# Altium PCB SunS_fixture_EGSE.PcbDoc (part 1 of 2) (continued)
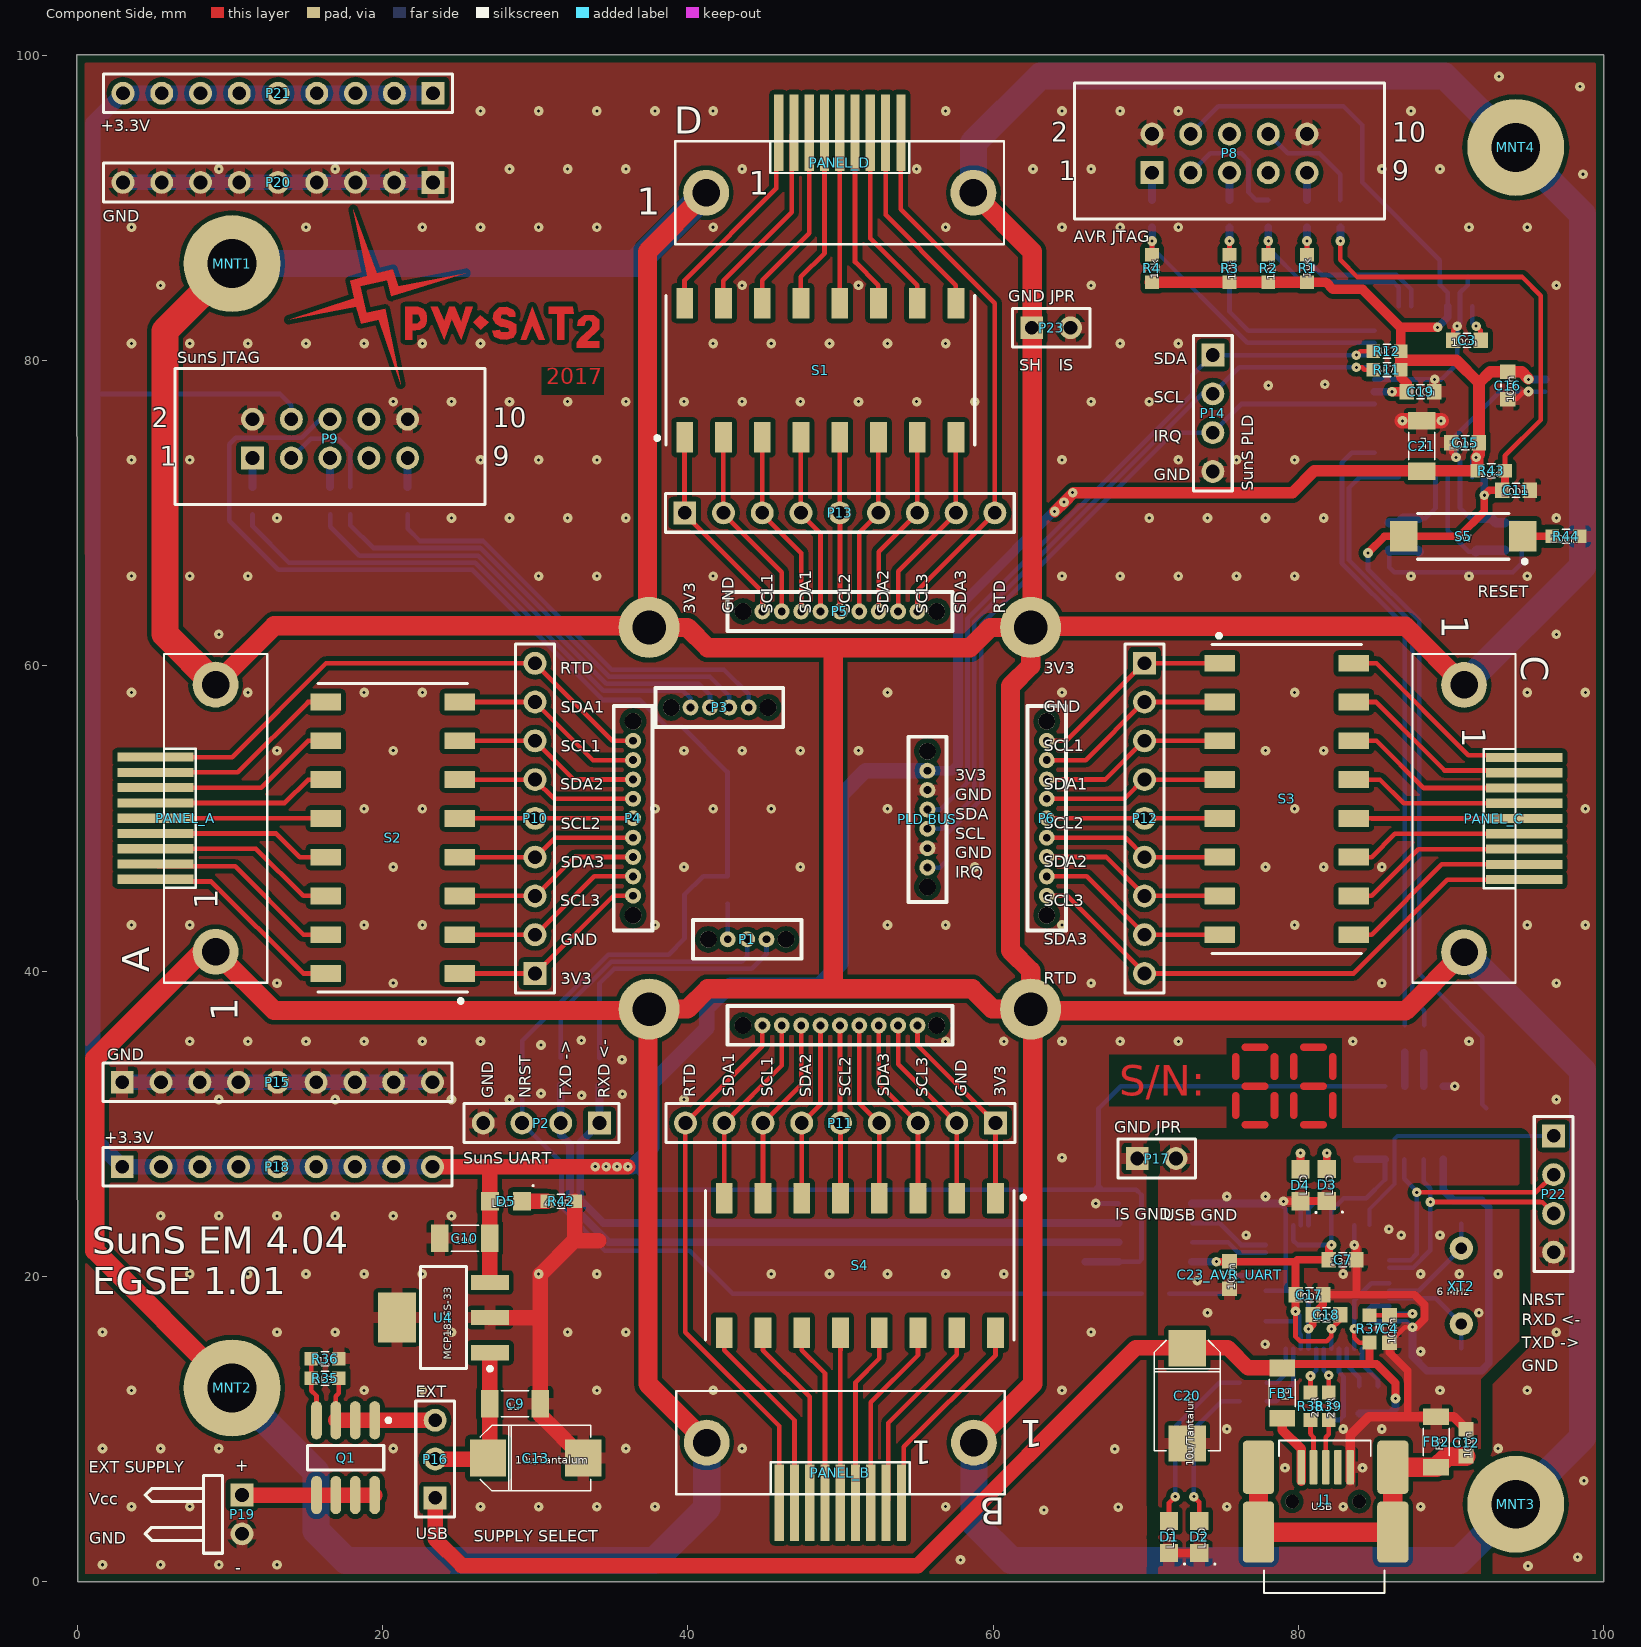
[diagram p0: Component Side view]
## Footprints (in the part's own frame and the unit in brackets; to place one, negate y for a bottom-side part, rotate by r counter-clockwise, add the part's x,y. Pads: shape width x height; smd on the part's side, far side on the other; paste and mask are expansions set on the pad) (continued)
  round 43.31 hole 43.31 unplated: 0(0,0) 0(200,0)
  round 41 hole 20: 1(50,0) 2(100,0) 3(150,0)
  silkscreen extent -40,-50 240,50, body extent -33,-44 232,43, height 248
"Mill-Max 854-22-004-10-001101" [mil] "SPRING-LOADED CONNECTORS, 854-22-004-10-001101, 1.27 mm pitch, 1x4pin, THT."
  round 43.31 hole 43.31 unplated: 0(0,0) 0(250,0)
  round 41 hole 20: 1(50,0) 2(100,0) 3(150,0) 4(200,0)
  silkscreen extent -40,-50 289,50, body extent -33,-44 282,43, height 248
"Mill-Max 854-22-006-10-001101" [mil] "SPRING-LOADED CONNECTORS, 854-22-006-10-001101, 1.27 mm pitch, 1x6pin, THT."
  round 43.31 hole 43.31 unplated: 0(0,0) 0(350,0)
  round 41 hole 20: 1(50,0) 2(100,0) 3(150,0) 4(200,0) 5(250,0) 6(300,0)
  silkscreen extent -38,-49 389,49, body extent -32,-44 383,43, height 248
"Mill-Max 854-22-009-10-001101"#1 [mil] "SPRING-LOADED CONNECTORS, 854-22-009-10-001101, 1.27 mm pitch, 1x9pin, THT."
  round 43.31 hole 43.31 unplated: 0(0,0) 0(500,0)
  round 41 hole 20: 1(50,0) 2(100,0) 3(150,0) 4(200,0) 5(250,0) 6(300,0) 7(350,0) 8(400,0) 9(450,0)
  silkscreen extent -40,-50 540,50, body extent -33,-44 532,43, height 248
"Mill-Max 854-22-009-10-001101"#2 [mil] "SPRING-LOADED CONNECTORS, 854-22-009-10-001101, 1.27 mm pitch, 1x9pin, THT."
  round 43.31 hole 43.31 unplated: 0(0,0) 0(500,0)
  round 41 hole 20: 1(450,0) 2(400,0) 3(350,0) 4(300,0) 5(250,0) 6(200,0) 7(150,0) 8(100,0) 9(50,0)
  body extent -32,-44 533,43, height 248
PC-104_PcbMntHole_M3#1 [mm] "PCB Mounting Hole for PC-104 standard. Based on Pumpkin's Kit."
  round 6.35 hole 3.2: 1(5.906,-9.098)
PC-104_PcbMntHole_M3#2 [mm] "PCB Mounting Hole for PC-104 standard. Based on Pumpkin's Kit."
  round 6.35 hole 3.2: 1(0,0)
PC-104_PcbMntHole_M3#3 [mm] "PCB Mounting Hole for PC-104 standard. Based on Pumpkin's Kit."
  round 6.35 hole 3.2: 1(10.442,0.154)
PC-104_PcbMntHole_M3#4 [mm] "PCB Mounting Hole for PC-104 standard. Based on Pumpkin's Kit."
  round 6.35 hole 3.2: 1(-1.23,-1.58)
"SMD, 5mm x 3.2mm" [mm]
  rect 2x1.2 smd: 1(-1.85,-1.1) 2(1.85,-1.1) 3(1.85,1.1) 4(-1.85,1.1)
  silkscreen extent -2.58,-2.12 -2.49,-2.03, body extent -2.5,-1.6 2.5,1.6, height 1
SMD_Capacitor_0603 [mm] "SMD Capacitor, Inch 0603, Metric 1608."
  rect 0.95x1 smd: 1(-0.9,0) 2(0.9,0)
  silkscreen extent -0.25,-0.45 0.25,0.45, body extent -0.8,-0.4 0.8,0.4, height 0.3
SMD_Capacitor_0805 [mm] "SMD Capacitor, Inch 0805, Metric 2012."
  rect 1.15x1.45 smd: 1(-1.1,0) 2(1.1,0)
  silkscreen extent -0.35,-0.68 0.35,0.68, body extent -1,-0.62 1,0.63, height 0.78
SMD_Capacitor_1206 [mm] "SMD Capacitor, Inch 1206, Metric 3216."
  rect 1.15x1.8 smd: 1(-1.65,0) 2(1.65,0)
  silkscreen extent -0.9,-0.85 0.9,0.85, body extent -1.6,-0.8 1.6,0.8, height 1
SMD_FerriteBead_1206 [mm] "SMD Ferrite Bead, Inch 1206, Metric 3216."
  rect 1.1x1.7 smd: 1(-1.65,0) 2(1.65,0)
  silkscreen extent -0.9,-0.85 0.9,0.85, body extent -1.6,-0.8 1.6,0.8, height 1.1
SMD_Resistor_0603 [mm] "SMD Resistor, Inch 0603, Metric 1608."
  rect 0.9x0.9 smd: 1(-0.9,0) 2(0.9,0)
  silkscreen extent -0.25,-0.45 0.25,0.45, body extent -0.8,-0.45 0.8,0.45, height 0.5
SMD_Resistor_0805 [mm] "SMD Resistor, Inch 0805, Metric 2012."
  rect 0.9x1.3 smd: 1(-1.1,0) 2(1.1,0)
  silkscreen extent -0.45,-0.65 0.45,0.65, body extent -1,-0.62 1,0.63, height 0.5
SOIC-8_M [mm] "SOIC, 8-Leads, Body 4.9x3.9mm, Pitch 1.27mm, IPC Low Density"
  oval 2.5x0.7 smd: 1(-2.45,1.905) 2(-2.45,0.635) 3(-2.45,-0.635) 4(-2.45,-1.905) 5(2.45,-1.905) 6(2.45,-0.635) 7(2.45,0.635) 8(2.45,1.905)
  silkscreen extent -2.57,-2.5 0.8,2.93, body extent -3,-2.45 3,2.45, height 1.7
SOT-223-DB3_M [mm] "SOT223, 4-Leads, Body 6.5x3.5mm, Pitch 2.3mm, Lead Span 7mm, IPC Low Density"
  rect 2.5x1 smd: 1(-3.05,2.3) 2(-3.05,0) 3(-3.05,-2.3)
  rect 2.5x3.3 smd: 4(3.05,0)
  silkscreen extent -3.18,-3.35 1.5,3.47, body extent -3.48,-3.25 3.48,3.25, height 1.7
SunS_PcbMntHole_M2 [mm] "PCB Mounting Hole for SunS Main Board."
  round 4 hole 2.2: 1(0,0)
"Tact Switch 3x6" [mm] "SODFL, 2-Leads, Body 3,00x8,00mm, IPC Medium Density"
  rect 1.8x2 smd: 1(-3.9,0) 2(3.9,0)
  silkscreen extent -4.15,-1.5 3,1.77, body extent -4,-1.8 4,1.8, height 2.6
Tantalum_cap_D [mm] "Tantalum capacitor D-package. Also named EIA 7343-31."
  rect 2.37x2.43 smd: 1(-3.12,0) 2(3.12,0)
  silkscreen extent -3.64,-2.15 3.6,2.15, body extent -3.65,-2.15 3.65,2.15, height 2.85
TQFP-44 [mm]
  oval 1.45x0.55 smd: 1(-5.591,4.005) 2(-5.591,3.205) 3(-5.591,2.405) 4(-5.591,1.605) 5(-5.591,0.805) 6(-5.591,0.005) 7(-5.591,-0.795) 8(-5.591,-1.595) 9(-5.591,-2.395) 10(-5.591,-3.195) 11(-5.591,-3.995) 23(5.609,-3.995) 24(5.609,-3.195) 25(5.609,-2.395) 26(5.609,-1.595) 27(5.609,-0.795) 28(5.609,0.005) 29(5.609,0.805) 30(5.609,1.605) 31(5.609,2.405) 32(5.609,3.205) 33(5.609,4.005)
  oval 0.55x1.45 smd: 12(-3.991,-5.595) 13(-3.191,-5.595) 14(-2.391,-5.595) 15(-1.591,-5.595) 16(-0.791,-5.595) 17(0.009,-5.595) 18(0.809,-5.595) 19(1.609,-5.595) 20(2.409,-5.595) 21(3.209,-5.595) 22(4.009,-5.595) 34(4.009,5.605) 35(3.209,5.605) 36(2.409,5.605) 37(1.609,5.605) 38(0.809,5.605) 39(0.009,5.605) 40(-0.791,5.605) 41(-1.591,5.605) 42(-2.391,5.605) 43(-3.191,5.605) 44(-3.991,5.605)
  silkscreen extent -5.72,-4.45 4.46,4.95, body extent -6,-6 6,6, height 1.07
USB_Mini-B_Molex_SMT [mm]
  rrect25% 2.25x0.5 smd: 1(8.25,6.55) 2(8.25,5.75) 3(8.25,4.95) 4(8.25,4.15) 5(8.25,3.35)
  round 0.9 hole 0.9 unplated: H1(6,7.15) H2(6,2.75)
  rrect25% 4x2.05 smd: MH1(4,0.55) MH4(4,9.35)
  rrect25% 3.5x2.05 smd: MH2(8.25,0.55) MH3(8.25,9.35)
  silkscreen extent 0,1.1 10,9, body extent 0.1,0 9.3,9.9, height 4.14

## Part data
C1 C2 C3 C4 C5 C6 C7 C8_AVR_UART C8_SunS_UART C11 C12 C14 C15 C16 C17 C18 C19 C21 C22_AVR_UART C22_SunS_UART C23_AVR_UART C23_SunS_UART: Package=0603
C9 C10: library part Cer_C1206T105K3RALTU, "Ceramic Cap Kemet COTS 1u/25V X7R 1206", Manufacturer=Kemet, ManufacturerPartNumber=C1206T105K3RALTU, Package=1206
C13 C20: library part TantS_CWR11_10u_25V, "Tantalum Capacitor CWR11 10u/22V.", Manufacturer=Kemet, ManufacturerPartNumber=CWR11K(6)106(1)(2)(5)
CONN_C4: library part Cer_C0805T104K1RCLTU, "Ceramic Cap Kemet COTS 100n/100V X7R 0805", Manufacturer=Kemet, ManufacturerPartNumber=C0805T104K1RCLTU, Package=0805
CONN_R4: library part CRCW08051K00FKxxxx, "1k/1% Vishay CRCW 0805 Resistor. 125mW, 100ppm, 150V.", Manufacturer=Vishay, Package=0805, ManufacturerPartNumber=CRCW08051K00FKxxxx
D1 D2 D3 D4 D5: "Typical LED"
FB1 FB2: library part BLM31PG121SH1L, "Ferrite bead, 1206, 0.02HM, 3.5A.", Current Rating=3.5A, Manufacturer=Murata, Package=1206, Series Resistance DC=0.02R, ManufacturerPartNumber=BLM31PG121SH1L
H3 H4 H5 H6 MNT1 MNT2 MNT3 MNT4: library part MntHole, "PCB Mounting Hole"
J1: "Connector SMD USB Type Mini-B", Manufacturer 1="Molex Connector Corporation", Manufacturer Part Number 1=67503-1020, Package / Case=SMD, Supplier Part Number 1=WM5461CT-ND, SCDType=undef, Supplier 1=Digi-Key
P1: library part "Mill-Max 854-22-003-10-001101", "SPRING-LOADED CONNECTORS, 854-22-003-10-001101, 1.27 mm pitch, 1x3pin, THT"
P2 P22: library part "Header 4", "Header, 4-Pin", LatestRevisionDate=17-Jul-2002, LatestRevisionNote="Re-released for DXP Platform.", Publisher="Altium Limited"
P3: library part "Mill-Max 854-22-004-10-001101", "SPRING-LOADED CONNECTORS, 854-22-004-10-001101, 1.27 mm pitch, 1x4pin, THT."
P4 P5 P6 P7: "SPRING-LOADED CONNECTORS, 854-22-009-10-001101, 1.27 mm pitch, 1x9pin, THT."
P8 P9: library part "Header 5X2", "Header, 5-Pin, Dual row"
P10 P11 P12 P13: "Header, 9-Pin", LatestRevisionDate=17-Jul-2002, LatestRevisionNote="Re-released for DXP Platform.", Publisher="Altium Limited"
P14: library part "Header 4x1", "Header, 4-Pin", LatestRevisionDate=17-Jul-2002, LatestRevisionNote="Re-released for DXP Platform.", Publisher="Altium Limited"
P15 P18 P20 P21: library part "Header 9", "Header, 9-Pin", LatestRevisionDate=17-Jul-2002, LatestRevisionNote="Re-released for DXP Platform.", Publisher="Altium Limited"
P16: "Header, 3-Pin", LatestRevisionDate=17-Jul-2002, LatestRevisionNote="Re-released for DXP Platform.", Publisher="Altium Limited"
P17 P23: "Header, 2-Pin", LatestRevisionDate=17-Jul-2002, LatestRevisionNote="Re-released for DXP Platform.", Publisher="Altium Limited"
P19: library part "Header 2", "Header, 2-Pin", LatestRevisionDate=17-Jul-2002, LatestRevisionNote="Re-released for DXP Platform.", Publisher="Altium Limited"
PANEL_A PANEL_B PANEL_C PANEL_D: "ALS Panel Fixture Connection"
"PLD BUS": "SPRING-LOADED CONNECTORS, 854-22-006-10-001101, 1.27 mm pitch, 1x6pin, THT."
Q1: "P-Channel 1.8 V (G-S) MOSFET", Manufacturer Part Number=Si4403BDY
R1 R2 R3 R4: library part Res, Package=0402
R5 R6 R7 R8 R9 R10 R11 R12 R16 R17 R19 R21 R23 R24 R25 R26 R27 R28 R29 R30 R31 R37 R38 R39 R40 R41 R42 R43 R44: library part Res, Package=0603
R35 R36: library part CRCW06031K00FKxxxx, "1k/1% Vishay CRCW 0603 Resistor. 100mW, 100ppm, 75V.", Manufacturer=Vishay, Package=0603, ManufacturerPartNumber=CRCW06031K00FKxxxx
S5: library part TactSwitch, Supplier 1=Farnell
U1: "General-purpose microcontroller"
U2: "FT2232D Dual USB to Serial UART/FIFO IC, -40 to +85 degC, 48-pin LQFP", Manufacturer=FTDI, ComponentLink1Description="Manufacturer URL", ComponentLink1URL=http://www.ftdichip.com/, ComponentLink2Description=Datasheet, ComponentLink2URL=http://www.ftdichip.com/Support/Documents/DataSheets/ICs/DS_FT2232D.pdf, DatasheetVersion="ver 2.05, Apr-2011", PackageDescription="48-Pin Thin Quad Flat Pack, 7 x 7 mm Body, 0.5 mm Pitch", PackageReference=LQFP-48, PackageVersion=Apr-11, PartNumber=FT2232D
U3_AVR_UART U3_SunS_UART: "1 Mbps Dual Channels, 1 / 1, Digital Isolator, 3.3 V / 5 V, -40 to +125 degC, 8-pin SOIC (D), Green (RoHS & no Sb/Br)", Insulation Rating(VRMS)=2500, Manufacturer="Texas Instruments", Rating=Catalog, Supplier Part Number 1=296-26077-5-ND, Supply Voltage(s)(V)="3.3, 5", Code_JEDEC=MS-012, ComponentLink1Description="Manufacturer URL", ComponentLink1URL=http://www.ti.com/, ComponentLink2Description=Datasheet, ComponentLink2URL=http://www.ti.com/general/docs/lit/getliterature.tsp?genericPartNumber=ISO7221A&fileType=pdf, ComponentLink3Description="Package Specification", ComponentLink3URL=http://www.ti.com/litv/pdf/msoi002j, ComponentLink4Description=SamplesURL, ComponentLink4URL=http://www.ti.com/product/iso7221a#samples, Datarate(Mbps)=1, DatasheetVersion=SLLS755L, Eco-Plan="Green (RoHS & no Sb/Br)", Input Noise Filter=Yes, MountType=SMT, PackageDescription="8-Pin Plastic Small Outline, Body 4.9 x 3.9 mm, Pitch 1.27 mm", PackageReference=D0008A, PackageVersion="4040047-3/M, 06/2011", PartNumber=ISO7221AD, Prop Delay(Max)(ns)=475, SubFamily=Isolator, Supplier 1=Digi-Key, Supplier 2=Farnell, Supplier 3=Newark, Supplier 4=Mouser, Supplier Part Number 2=1390651, Supplier Part Number 3=48M0672, Supplier Part Number 4=595-ISO7221AD, Thermal Shutdown=No, TTL/CMOS Input Threshold=TTL
U4: "1000 mA, Low Voltage, Low Quiescent Current LDO Regulator, 3-Pin SOT-223, Extended Temperature", Manufacturer=Microchip, Supplier Part Number 1=MCP1826S-3302E/DB-ND, ComponentLink1Description="Manufacturer URL", ComponentLink1URL=http://www.microchip.com/, ComponentLink2Description=Datasheet, ComponentLink2URL=http://ww1.microchip.com/downloads/en/DeviceDoc/22057a.pdf, ComponentLink3Description="Package Specification", ComponentLink3URL=http://www.microchip.com/stellent/groups/techpub_sg/documents/packagingspec/en012702.pdf, DatasheetVersion="revA, Aug-2007", Mounting Technology="Surface Mount", PackageDescription="3-Lead Plastic Small Outline Transistor (DB) [SOT-223]", PackageReference=SOT-223-DB3, PackageVersion="revBB, Aug-2009", PartNumber=MCP1826S-3302E/DB, Supplier 1=Digi-Key, Supplier 2=Newark, Supplier 3=Mouser, Supplier Part Number 2=27M0037, Supplier Part Number 3=579-MCP1826S-3302EDB
XT1: library part ABM3B-8.000MHZ-B2-T, "Resonator Ceramic", Manufacturer Part Number=ABM3B-8.000MHZ-B2-T
XT2: library part Crystal, "Resonator Ceramic", Frequency=6MHz, Frequency Stability=±50ppm, Frequency Tolerance=±30ppm, Load Capacitance=18pF, Manufacturer 1="Citizen Finetech Miyota", Manufacturer Part Number 1=CMR309T-6.000MABJ-UT, Operating Mode=Fundamental, Operating Temperature="-10°C ~ 60°C", Package / Case="Cylindrical Can, Radial", Ratings="6.00 MHz", Supplier Part Number 1=300-8348-1-ND, ComponentLink1Description=http://media.digikey.com/pdf/Data%20Sheets/Citizen%20PDFs/CMR310T%20CMR309T.pdf, ComponentLink1URL=http://media.digikey.com/pdf/Data%20Sheets/Citizen%20PDFs/CMR310T%20CMR309T.pdf, Height="0.122\" (3.10mm)", Mounting Type="Surface Mount", SCDType=spec, Size / Dimension="0.118\" Dia x 0.346\" L (3.00mm x 8.80mm)", Supplier 1=Digi-Key, Tolerance=±50ppm, Type="MHz Crystal"
S1 S2 S3 S4: Supplier 1=Farnell

## Via types
v1: diameter 0.635, hole 0.2, Component Side to Bottom Layer, 255 vias
v2: diameter 0.635, hole 0.2, Component Side to Bottom Layer, tented both sides, 55 vias

## Nets (pads, with @x,y where several pads share a name; then routed paths per layer and width w, separated by ;. In a path a pad name is that pad's centre, name@x,y a point inside that pad or via, vN(x,y) a via of type N, cw(c..) or ccw(c..) an arc to the next point about the centre after c; other vN are vias at no path point)
+3.3V-IS: "PLD BUS.1" C10.1 C14.1 C15.1 C16.1 C19.1 C21.1 C22_AVR_UART.1 C22_SunS_UART.1 D5.1 P8.4 P9.4 P18.1 P18.2 P18.3 P18.4 P18.5 P18.6 P18.7 P18.8 P18.9 P21.1 P21.2 P21.3 P21.4 P21.5 P21.6 P21.7 P21.8 P21.9 R1.1 R2.2 R3.2 R4.1 R11.1 R12.1 R43.1 U1.5 U1.17 U1.27 U1.38 U3_AVR_UART.1 U3_SunS_UART.1 U4.3 | length 380.4
  Component Side w0.305: 86.701,79.894 86.817,80.01
  Component Side w0.635: R1.1@80.569,85.13 81.799,85.13 82.271,84.658 84.212,84.658 86.701,82.169 ; v2(86.134,77.953) C19.1@87.111,77.953 87.111,78.497 86.701,78.907 R11.1@86.701,79.4 ; R12.1@86.701,80.607 86.701,82.169 ; v2(89.129,82.169) 86.701,82.169
  Component Side w0.762: v2(64.033,70.104) v2(64.649,70.72) 65.265,71.336 79.616,71.336 81.051,72.771 R43.1@91.734,72.771 91.734,73.567 v2(91.646,73.655) 91.832,73.841 C15.1@91.832,74.616 91.832,78.523 ; R4.1@70.309,85.13 R4.1@70.409,85.13 R3.2@75.489,85.13 R2.2@78.029,85.13 R1.1@80.569,85.13 ; R11.1@86.701,79.4 86.701,79.894 R12.1@86.701,80.607 ; 86.817,80.01 90.345,80.01 91.832,78.523 ; v2@95.072,78.813 94.626,79.259 C16.1@93.726,79.259 93.721,79.264 92.574,79.264 91.832,78.523
  Component Side w1.016: P18.9@23.266,27.178 27.035,27.178 ; U4.3@27.035,19.597 C10.1@27.035,22.504 D5.1@27.035,24.917 27.035,27.178 ; v2(36.068,27.178) v2(35.357,27.178) v2(34.646,27.178) v2(33.934,27.178) 27.035,27.178
  Bottom Layer w0.305: 1.021,77.8 13.284,77.8 14.021,77.064 P9.4@14.021,76.149 ; v2@36.373,27.178 37.875,25.676 66.904,25.676 ; U3_SunS_UART.1@68.237,20.955 69.571,20.955 69.723,21.107 69.723,25.324 69.371,25.676 66.904,25.676 ; P8.4@72.949,94.844 74.752,96.647 82.956,96.647 84.176,95.428 84.176,91.669 89.273,86.571 C14.1@89.273,85.665 ; U3_AVR_UART.1@85.674,32.448 68.364,32.448 66.904,30.988 66.904,25.676 ; C14.1@89.282,85.491 89.282,84.944 89.784,84.441 U1.27@89.784,83.553 ; U1.5@91.384,72.353 91.384,73.472 ; v2(95.072,78.762) v2@95.081,78.753
  Bottom Layer w0.508: C22_SunS_UART.1@66.051,20.955 U3_SunS_UART.1@68.237,20.955 ; U1.17@84.984,77.953 v2(86.134,77.953) ; v2(89.129,82.169) 89.784,82.825 U1.27@89.784,83.553 ; v2@95.081,78.753 U1.38@96.184,78.753
  Bottom Layer w0.635: 55.697,53.125 57.303,53.125 57.696,53.518 57.696,63.817 v2(65.215,71.336)
  Bottom Layer w1.016: P18.9@23.266,27.178 P18.8@20.726,27.178 P18.7@18.186,27.178 P18.6@15.646,27.178 P18.5@13.106,27.178 P18.4@10.566,27.178 P18.3@8.026,27.178 P18.2@5.486,27.178 P18.1@2.946,27.178 1.021,29.103 1.021,77.8 1.021,95.541 P21.9@2.989,97.51 P21.8@5.529,97.51 P21.7@8.069,97.51 P21.6@10.609,97.51 P21.4@15.689,97.51 P21.3@18.229,97.51 P21.2@20.769,97.51 P21.1@23.309,97.51 ; v2(33.934,27.178) v2(34.646,27.178) v2(35.357,27.178) v2(36.068,27.178) 36.373,27.178 37.643,28.448 37.643,32.664 41.224,36.246 41.224,37.516 42.774,39.065 48.59,39.065 50.063,40.538 50.063,51.537 51.652,53.125 55.697,53.125
+3.3V-USB: C7.1 C17.1 C18.1 C23_AVR_UART.1 C23_SunS_UART.1 U2.6 U2.10 U2.14 U2.26 U2.31 U3_AVR_UART.8 U3_SunS_UART.8 | length 38.7
  Component Side w0.305: v2(79.807,17.704) 79.807,16.053 80.112,15.748 81.859,15.748 82.165,16.054 v2(82.165,16.554) 82.739,17.128 C18.1@82.739,17.475
  Component Side w0.508: v2(74.625,20.955) 79.807,20.955 ; v2(79.807,17.704) 79.807,20.955 ; v2(82.165,22.047) 82.006,21.888 C7.1@82.006,21.082 79.934,21.082 79.807,20.955
  Bottom Layer w0.305: U2.14@77.865,17.054 80.043,17.054 ; U2.26@79.665,23.354 79.665,22.341 79.959,22.047 v2(82.165,22.047) U2.31@82.165,23.354 82.165,24.304 82.982,25.121 84.455,25.121 85.674,26.34 U3_AVR_UART.8@85.674,27.648 ; v2(79.807,17.704) 80.043,17.468 80.043,17.054 ; U2.10@80.165,15.254 80.165,16.174 80.043,16.296 80.043,17.054 ; U2.6@82.165,15.254 v2(82.165,16.554)
  Bottom Layer w0.508: U3_SunS_UART.8@73.037,20.955 v2(74.625,20.955) ; C23_SunS_UART.1@83.845,27.675 85.647,27.675 U3_AVR_UART.8@85.674,27.648
+5V-USB: C20.1 FB1.1 P16.1 R37.2 R40.1 R41.1 U2.3 U2.42 | length 86.6
  Component Side w0.305: v2(83.665,16.554) 83.665,15.979 83.99,15.654 R37.2@84.665,15.654
  Component Side w0.508: FB1.1@78.943,13.994 79.198,14.249 84.665,14.249 ; R37.2@84.665,15.654 84.665,14.249 ; v2(86.36,11.989) 86.36,13.005 85.115,14.249 84.665,14.249
  Component Side w1.016: P16.1@23.444,5.485 23.444,2.794 25.197,1.041 55.067,1.041 69.342,15.316 75.387,15.316 76.709,13.994 FB1.1@78.943,13.994
  Bottom Layer w0.305: U2.3@83.665,15.254 v2(83.665,16.554) 83.665,18.438 84.781,19.554 U2.42@85.965,19.554
  Bottom Layer w0.508: R40.1@83.998,11.013 R41.1@85.217,11.013 86.019,11.013 86.36,11.354 v2(86.36,11.989)
_IRQ: "PLD BUS.6" P14.3 U1.16 | length 49.6
  Bottom Layer w0.305: 55.697,46.775 56.503,46.775 56.947,47.219 56.947,48.96 59.233,51.246 59.233,62.689 71.816,75.273 P14.3@74.397,75.273 76.277,77.153 U1.16@84.984,77.153
_SCL: "PLD BUS.4" P14.2 R11.2 U1.19 | length 49.7
  Component Side w0.305: v2(83.795,79.553) 84.176,79.553 84.328,79.4 R11.2@84.901,79.4
  Bottom Layer w0.305: 55.697,49.315 56.656,49.315 58.776,51.435 58.776,62.879 73.709,77.813 P14.2@74.397,77.813 76.137,79.553 v2(83.795,79.553) U1.19@84.984,79.553
_SDA: "PLD BUS.3" P14.1 R12.2 U1.20 | length 49.8
  Component Side w0.305: v2(83.795,80.353) 84.049,80.607 R12.2@84.901,80.607
  Bottom Layer w0.305: 55.697,50.585 56.579,50.585 58.318,52.324 58.318,63.068 73.05,77.8 73.05,79.019 74.384,80.353 P14.1@74.397,80.353 v2(83.795,80.353) U1.20@84.984,80.353
AVR_RESET: P8.8 R9.1 | length 7.5
  Bottom Layer w0.305: P8.8@78.029,94.844 79.299,93.574 81.382,93.574 82.753,92.202 R9.1@82.753,90.511
AVR_TCK: P8.1 R24.1 | length 1.8
  Bottom Layer w0.508: R24.1@70.409,90.511 P8.1@70.409,92.304
AVR_TDI: P8.9 R30.1 | length 1.8
  Bottom Layer w0.508: R30.1@80.569,90.511 P8.9@80.569,92.304
AVR_TDO: P8.3 R28.1 | length 8.1
  Bottom Layer w0.305: P8.3@72.949,92.304 74.219,93.574 76.251,93.574 76.733,93.091 76.733,91.019 77.241,90.511 R28.1@78.029,90.511
AVR_TMS: P8.5 R26.1 | length 1.8
  Bottom Layer w0.508: R26.1@75.489,90.511 P8.5@75.489,92.304
CTS#0: U2.21
CTS#1: U2.37
DCD#0: U2.17
DCD#1: U2.33
DSR#0: U2.19
DSR#1: U2.35
DTR#0: C8_SunS_UART.2 U2.20 | length 6.8
  Bottom Layer w0.305: C8_SunS_UART.2@71.537,18.847 74.879,18.847 76.086,20.054 U2.20@77.865,20.054
DTR#1: C8_AVR_UART.2 P22.1 U2.36 | length 16.8
  Bottom Layer w0.254: U2.36@84.665,23.354 84.665,24.391 86.309,26.035 86.309,29.007 86.501,29.199 C8_AVR_UART.2@92.075,29.199 P22.1@96.723,29.199
GND-IS: "PLD BUS.2" "PLD BUS.5" C1.2 C2.2 C3.2 C9.2 C10.2 C11.2 C13.2 C14.2 C15.2 C16.2 C19.2 C21.2 C22_AVR_UART.2 C22_SunS_UART.2 CONN_C4.1 CONN_R4.1 P2.4 P8.2 P8.10 P9.2 P9.10 P14.4 P15.1 P15.2 P15.3 P15.4 P15.5 P15.6 P15.7 P15.8 P15.9 P17.1 P19.2 P20.1 P20.2 P20.3 P20.4 P20.5 P20.6 P20.7 P20.8 P20.9 P22.4 P23.2 R36.2 R42.1 R44.2 U1.6 U1.18 U1.28 U1.39 U3_AVR_UART.4 U3_SunS_UART.4 U4.2 U4.4 XT1.2 XT1.4 | length 116.6
  Component Side w0.305: C19.2@88.911,77.953 88.911,78.751 v2(88.925,78.765) ; C15.2@90.032,74.583 90.032,73.945 v2(90.323,73.655) ; C3.2@90.137,81.322 90.137,81.985 v2(90.402,82.25) ; C16.2@93.726,77.459 94.274,77.459 94.776,77.962 v2(95.072,77.962)
  Component Side w1.016: U4.2@27.035,17.297 30.335,17.297 ; R42.1@32.599,24.917 32.599,22.388 32.537,22.327 ; C13.2@33.151,8.089 30.335,10.905 C9.2@30.335,11.645 30.335,17.297 ; 34.164,22.327 32.537,22.327 ; v2(86.817,76.047) C21.2@88.087,76.047 v2(89.357,76.047) ; 30.335,17.297 30.335,20.124 32.537,22.327
  Bottom Layer w0.305: v2(66.726,24.765) U3_SunS_UART.4@68.237,24.765 ; U1.18@84.984,78.753 89.37,78.753 90.402,79.784 v2(90.402,82.25) 90.584,82.433 U1.28@90.584,83.553 90.584,84.441 91.087,84.944 C14.2@91.087,85.491 ; C2.2@85.957,67.558 85.957,66.463 86.287,66.133 87.375,66.133 89.28,66.133 94.059,66.133 94.643,66.717 94.643,69.181 94.466,69.358 C1.2@93.5,69.358 ; v2(90.323,73.655) 90.323,75.083 93.202,77.962 v2(95.072,77.962) 95.081,77.953 U1.39@96.184,77.953 ; v2@90.402,73.655 90.584,73.472 U1.6@90.584,72.353 90.584,70.344 91.257,69.671 XT1.4@91.617,69.671
  Bottom Layer w0.508: U3_AVR_UART.4@89.484,32.448 v2(90.246,32.448)
  Bottom Layer w0.635: C2.2@85.957,67.558 87.829,67.558 XT1.2@87.917,67.471 ; XT1.4@91.617,69.671 92.629,69.671 92.942,69.358 C1.2@93.5,69.358
  Bottom Layer w1.016: P15.1@2.946,32.715 P15.2@5.486,32.715 P15.3@8.026,32.715 P15.4@10.566,32.715 P15.5@13.106,32.715 P15.6@15.646,32.715 P15.7@18.186,32.715 P15.8@20.726,32.715 P15.9@23.266,32.715 ; P20.9@2.989,91.668 P20.8@5.529,91.668 P20.7@8.069,91.668 P20.6@10.609,91.668 P20.5@13.149,91.668 P20.4@15.689,91.668 P20.3@18.229,91.668 P20.2@20.769,91.668 P20.1@23.309,91.668
  other v1: 95.047,1.016 1.65,1.1 5.46,1.1 9.27,1.1 13.08,1.1 98.298,1.6 3.555,4.91 7.365,4.91 26.415,4.91 30.225,4.91 34.035,4.91 37.845,4.91 56.895,4.91 98.704,6.604 1.65,8.72 5.46,8.72 9.27,8.72 20.7,8.72 35.94,8.72 43.56,8.72 93.09,8.72 3.555,12.53 18.795,12.53 22.605,12.53 34.035,12.53 41.655,12.53 64.515,12.53 94.995,12.53 1.65,16.34 13.08,16.34 16.89,16.34 24.51,16.34 32.13,16.34 35.94,16.34 66.42,16.34 96.9,16.34 7.365,20.15 11.175,20.15 14.985,20.15 18.795,20.15 22.605,20.15 30.225,20.15 34.035,20.15 45.465,20.15 49.275,20.15 53.085,20.15 56.895,20.15 60.705,20.15 5.46,23.96 9.27,23.96 13.08,23.96 16.89,23.96 20.7,23.96 24.51,23.96 64.515,27.77 9.27,31.58 16.89,31.58 24.51,31.58 28.32,31.58 39.75,31.58 96.9,31.58 33.045,31.852 35.712,31.928 30.378,31.979 35.687,34.188 30.378,35.154 7.365,35.39 11.175,35.39 14.985,35.39 18.795,35.39 22.605,35.39 26.415,35.39 56.895,35.39 60.705,35.39 64.515,35.39 68.325,35.39 72.135,35.39 83.565,35.39 91.185,35.39 33.02,35.458 13.08,39.2 20.7,39.2 66.42,39.2 85.47,39.2 96.9,39.2 3.555,43.01 7.365,43.01 18.795,43.01 22.605,43.01 37.845,43.01 53.085,43.01 56.895,43.01 64.515,43.01 79.755,43.01 94.995,43.01 98.805,43.01 20.7,46.82 39.75,46.82 47.37,46.82 58.8,46.82 77.85,46.82 81.66,46.82 85.47,46.82 18.795,50.63 22.605,50.63 37.845,50.63 41.655,50.63 45.465,50.63 53.085,50.63 79.755,50.63 98.805,50.63 13.08,54.44 20.7,54.44 39.75,54.44 43.56,54.44 47.37,54.44 51.18,54.44 77.85,54.44 81.66,54.44 3.555,58.25 11.175,58.25 18.795,58.25 22.605,58.25 53.085,58.25 64.515,58.25 79.755,58.25 94.995,58.25 98.805,58.25 9.27,62.06 96.9,62.06 3.555,65.87 7.365,65.87 11.175,65.87 30.225,65.87 34.035,65.87 41.655,65.87 64.515,65.87 68.325,65.87 72.135,65.87 75.945,65.87 79.755,65.87 87.375,65.87 91.185,65.87 94.995,65.87 13.08,69.68 24.51,69.68 28.32,69.68 32.13,69.68 35.94,69.68 70.23,69.68 74.04,69.68 77.85,69.68 81.66,69.68 96.9,69.68 3.555,73.49 7.365,73.49 26.415,73.49 30.225,73.49 34.035,73.49 64.515,73.49 72.135,73.49 75.945,73.49 79.755,73.49 20.7,77.3 24.51,77.3 28.32,77.3 32.13,77.3 35.94,77.3 39.75,77.3 43.56,77.3 47.37,77.3 51.18,77.3 54.99,77.3 58.8,77.3 66.42,77.3 70.23,77.3 78.029,78.359 81.737,78.435 3.555,81.11 7.365,81.11 11.175,81.11 14.985,81.11 18.795,81.11 22.605,81.11 26.415,81.11 41.655,81.11 45.465,81.11 49.275,81.11 53.085,81.11 56.895,81.11 68.325,81.11 72.135,81.11 5.46,84.92 43.56,84.92 51.18,84.92 66.42,84.92 96.9,84.92 3.555,88.73 14.985,88.73 22.605,88.73 26.415,88.73 30.225,88.73 34.035,88.73 41.655,88.73 56.895,88.73 64.515,88.73 68.325,88.73 72.135,88.73 91.185,88.73 94.995,88.73 98.654,92.202 9.27,92.54 16.89,92.54 28.32,92.54 32.13,92.54 35.94,92.54 43.56,92.54 54.99,92.54 62.61,92.54 66.42,92.54 85.47,92.54 89.28,92.54 26.415,96.35 30.225,96.35 34.035,96.35 37.845,96.35 41.655,96.35 56.895,96.35 64.515,96.35 68.325,96.35 72.135,96.35 87.375,96.35 98.45,97.942 93.142,98.603
  other v2: 57.861,1.422 63.322,4.674 68.199,4.877 67.97,8.687
GND-SH: H3.1 H4.1 H5.1 H6.1 MNT1.1 MNT2.1 MNT3.1 MNT4.1 P23.1 PANEL_A.0 PANEL_B.0 PANEL_C.0 PANEL_D.0 | length 650.7
  Component Side w1.27: PANEL_A.0@9.059,58.765 12.903,62.609 37.363,62.609 H6.1@37.464,62.508 39.972,62.508 41.3,61.18 58.487,61.18 59.816,62.508 H4.1@62.464,62.508 62.464,60 61.136,58.672 61.136,41.345 62.464,40.016 H5.1@62.464,37.508 59.956,37.508 58.628,38.837 41.3,38.837 39.972,37.508 H3.1@37.464,37.508 ; MNT2.1@10.143,12.683 1.148,21.678 1.148,34.27 8.134,41.255 PANEL_A.0@9.059,41.255 12.903,37.411 H3.1@37.363,37.411 ; H6.1@37.355,62.682 37.355,87.142 PANEL_D.0@41.199,90.986 ; H3.1@37.391,37.407 37.391,12.947 PANEL_B.0@41.235,9.104 ; 49.53,38.896 49.53,61.087 ; PANEL_D.0@58.709,90.986 62.553,87.142 H4.1@62.553,62.682 ; PANEL_B.0@58.745,9.104 62.589,12.947 H5.1@62.589,37.391 ; H5.1@62.55,37.391 H5.1@62.589,37.391 ; H4.1@62.55,62.589 87.01,62.589 PANEL_C.0@90.854,58.745 ; H5.1@62.589,37.407 H5.1@62.589,37.391 ; PANEL_C.0@90.854,41.235 87.01,37.391 H5.1@62.589,37.391
  Component Side w1.778: PANEL_A.0@9.059,58.765 5.74,62.084 5.74,81.94 MNT1.1@10.143,86.343
  Bottom Layer w1.778: MNT2.1@10.143,12.683 15.646,7.18 15.646,3.319 17.577,1.389 37.813,1.389 41.235,4.811 PANEL_B.0@41.235,9.104 ; MNT1.1@10.143,86.343 36.556,86.343 PANEL_D.0@41.199,90.986 ; PANEL_D.0@58.709,90.986 58.709,94.243 63.102,98.636 89.57,98.636 MNT4.1@94.243,93.963 98.606,89.6 98.606,66.497 PANEL_C.0@90.854,58.745 ; PANEL_B.0@58.745,9.104 58.745,3.833 61.189,1.389 90.569,1.389 MNT3.1@94.243,5.063 98.606,9.426 98.606,33.483 PANEL_C.0@90.854,41.235